# Altium PCB Copy of drac_v3.PcbDoc (part 4 of 5)
Units mm, origin at the board's own origin, x right, y up, seen from the top; angles counter-clockwise.
Board outline 160 x 214.5 mm, 6 copper layers (Top Layer, Mid Layer 1, Mid Layer 2, Mid Layer 3, Mid Layer 4, Bottom Layer), stack 1.597 mm thick; 433 components, 257 nets, 1445 pads, 774 vias.
Unrouted connection lines stored in the file: 474.
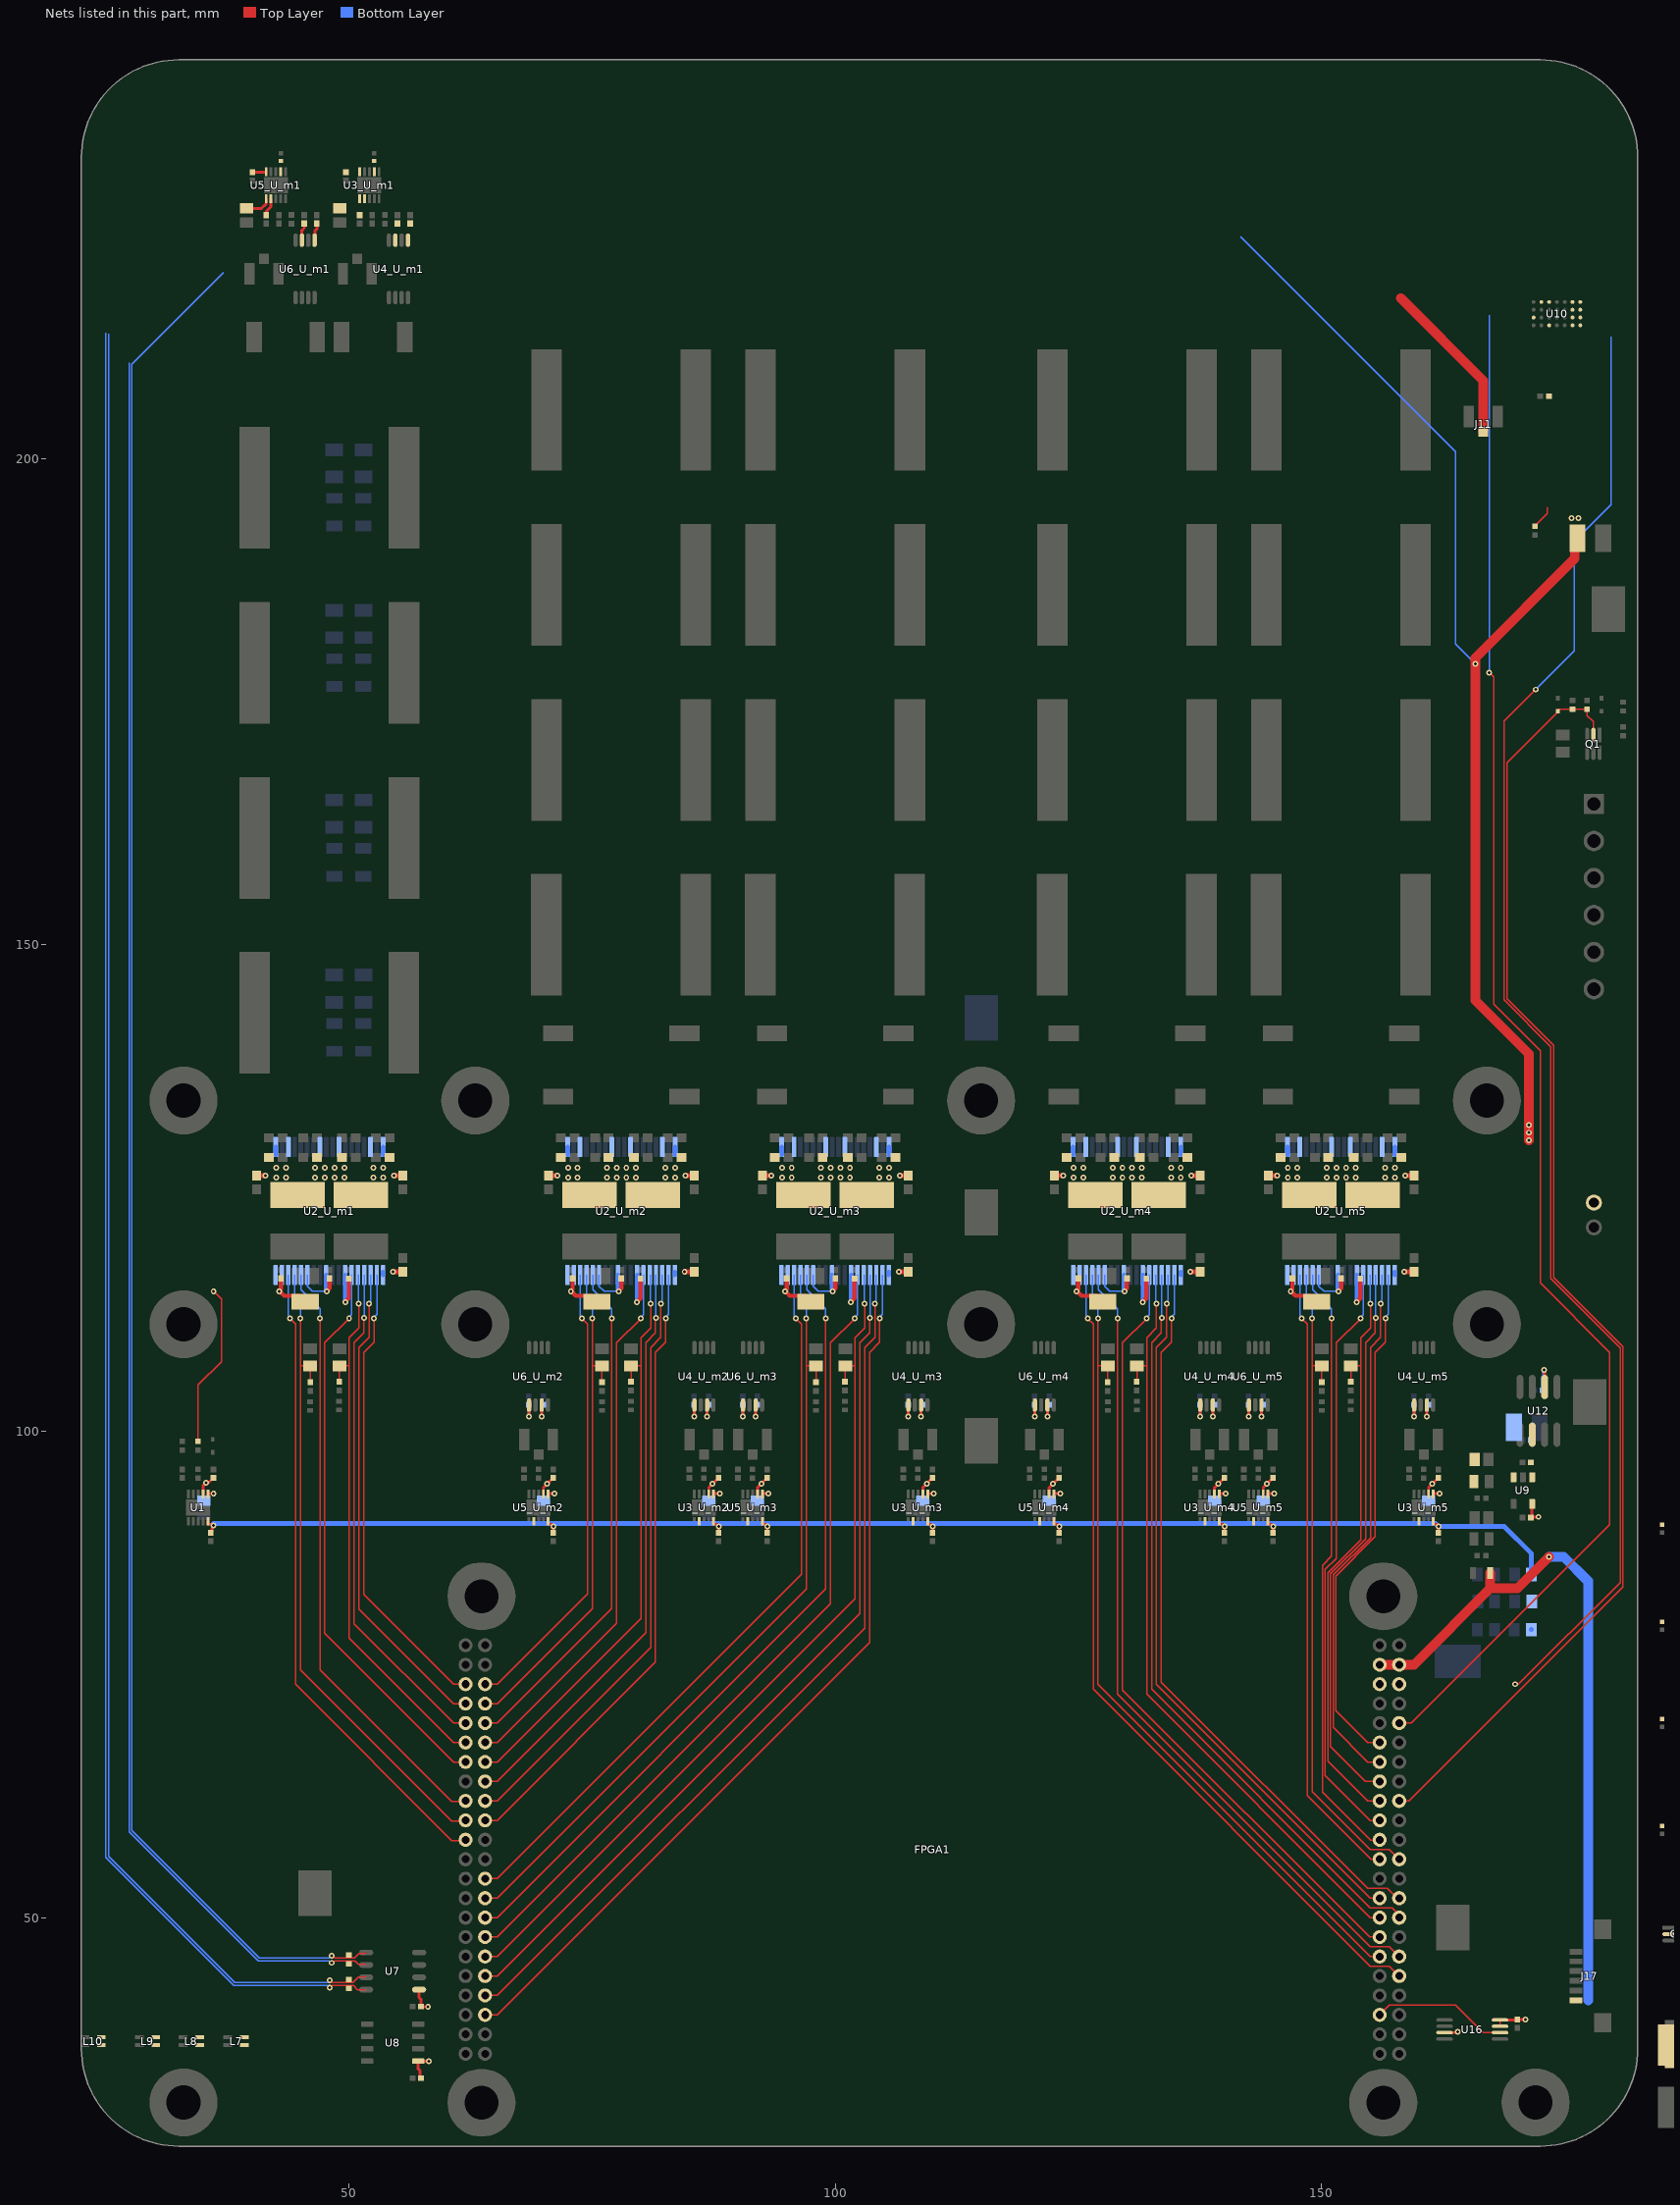
[diagram p6: the nets of this part, all layers, seen from the top]

## Via types
v1: diameter 0.6, hole 0.3, Top Layer to Bottom Layer, 774 vias

## Nets (pads, with @x,y where several pads share a name; then routed paths per layer and width w, separated by ;. In a path a pad name is that pad's centre, name@x,y a point inside that pad or via, vN(x,y) a via of type N, cw(c..) or ccw(c..) an arc to the next point about the centre after c; other vN are vias at no path point) (continued)
NetR4_U_m1_1: R4_U_m1.1 U2_U_m1.7 | length 5.4
  Top Layer w0.45: v1(49.625,113.279) 49.625,113.32 50,113.695 R4_U_m1.1@50,115.696
  Bottom Layer w0.45: v1(49.625,113.279) U2_U_m1.7@49.625,116.073
NetR4_U_m2_1: R4_U_m2.1 U2_U_m2.7 | length 5.4
  Top Layer w0.45: v1(79.625,113.279) 79.625,113.32 80,113.695 R4_U_m2.1@80,115.696
  Bottom Layer w0.45: v1(79.625,113.279) U2_U_m2.7@79.625,116.073
NetR4_U_m3_1: R4_U_m3.1 U2_U_m3.7 | length 5.4
  Top Layer w0.45: v1(101.625,113.279) 101.625,113.32 102,113.695 R4_U_m3.1@102,115.696
  Bottom Layer w0.45: v1(101.625,113.279) U2_U_m3.7@101.625,116.073
NetR4_U_m4_1: R4_U_m4.1 U2_U_m4.7 | length 5.4
  Top Layer w0.45: v1(131.625,113.279) 131.625,113.32 132,113.695 R4_U_m4.1@132,115.696
  Bottom Layer w0.45: v1(131.625,113.279) U2_U_m4.7@131.625,116.073
NetR4_U_m5_1: R4_U_m5.1 U2_U_m5.7 | length 5.4
  Top Layer w0.45: v1(153.625,113.279) 153.625,113.32 154,113.695 R4_U_m5.1@154,115.696
  Bottom Layer w0.45: v1(153.625,113.279) U2_U_m5.7@153.625,116.073
NetR21_2: R21.2 U10.A2
NetR22_1: R22.1 U10.C1 | length 2.4
  Top Layer w0.127: R22.1@171.931,193.059 171.933,193.059 172.153,193.28 172.153,193.282 173.23,194.358 173.23,194.905 173.274,194.949
NetR28_U_m1_2: R28_U_m1.2 U3_U_m1.7
NetR28_U_m2_2: R28_U_m2.2 U3_U_m2.7
NetR28_U_m3_2: R28_U_m3.2 U3_U_m3.7
NetR28_U_m4_2: R28_U_m4.2 U3_U_m4.7
NetR28_U_m5_2: R28_U_m5.2 U3_U_m5.7
NetR43_U_m1_2: R43_U_m1.2 U5_U_m1.7
NetR43_U_m2_2: R43_U_m2.2 U5_U_m2.7
NetR43_U_m3_2: R43_U_m3.2 U5_U_m3.7
NetR43_U_m4_2: R43_U_m4.2 U5_U_m4.7
NetR43_U_m5_2: R43_U_m5.2 U5_U_m5.7
nFAULT1: FPGA1.81 U2_U_m1.3 | length 49.8
  Top Layer w0.147: v1(52.075,113.098) 52.075,109.649 51.025,108.598 51.025,81.725 60.75,72 FPGA1.81@62,72
  Bottom Layer w0.147: v1(52.075,113.098) 52.075,113.221 52.225,113.37 U2_U_m1.3@52.225,116.073
nFAULT2: FPGA1.72 U2_U_m2.3 | length 62.4
  Top Layer w0.147: FPGA1.72@64,62 65.25,62 81.025,77.775 81.025,108.598 82.075,109.649 v1(82.075,113.098)
  Bottom Layer w0.147: v1(82.075,113.098) 82.075,113.221 82.225,113.37 U2_U_m2.3@82.225,116.073
nFAULT3: FPGA1.52 U2_U_m3.3 | length 91.5
  Top Layer w0.147: FPGA1.52@64,42 65.25,42 103.025,79.775 103.025,108.598 104.075,109.649 v1(104.075,113.098)
  Bottom Layer w0.147: v1(104.075,113.098) 104.075,113.221 104.225,113.37 U2_U_m3.3@104.225,116.073
nFAULT4: FPGA1.17 U2_U_m4.3 | length 74.7
  Top Layer w0.147: v1(134.075,113.098) 134.075,109.649 133.025,108.598 133.025,73.975 155,52 FPGA1.17@155.98,52
  Bottom Layer w0.147: v1(134.075,113.098) 134.075,113.221 134.225,113.37 U2_U_m4.3@134.225,116.073
nFAULT5: FPGA1.31 U2_U_m5.3 | length 54.9
  Top Layer w0.147: FPGA1.31@155.98,66 154.75,66 151.202,69.548 151.202,85.227 155.025,89.049 155.025,108.598 156.075,109.649 v1(156.075,113.098)
  Bottom Layer w0.147: v1(156.075,113.098) 156.075,113.221 156.225,113.37 U2_U_m5.3@156.225,116.073
nOTW1: FPGA1.83 U2_U_m1.2 | length 47.7
  Top Layer w0.147: v1(52.576,111.598) 52.576,109.149 51.525,108.098 51.525,83.225 60.75,74 FPGA1.83@62,74
  Bottom Layer w0.147: v1(52.576,111.598) 52.576,111.721 52.875,112.02 U2_U_m1.2@52.875,116.073
nOTW2: FPGA1.70 U2_U_m2.2 | length 64.6
  Top Layer w0.147: FPGA1.70@64,60 65.25,60 81.525,76.275 81.525,108.098 82.576,109.149 v1(82.576,111.598)
  Bottom Layer w0.147: v1(82.576,111.598) 82.576,111.721 82.875,112.02 U2_U_m2.2@82.875,116.073
nOTW3: FPGA1.50 U2_U_m3.2 | length 93.7
  Top Layer w0.147: FPGA1.50@64,40 65.25,40 103.525,78.275 103.525,108.098 104.576,109.149 v1(104.576,111.598)
  Bottom Layer w0.147: v1(104.576,111.598) 104.576,111.721 104.875,112.02 U2_U_m3.2@104.875,116.073
nOTW4: FPGA1.18 U2_U_m4.2 | length 76.1
  Top Layer w0.147: v1(134.576,111.598) 134.576,109.149 133.525,108.098 133.525,74.225 154.75,53 156.75,53 157.75,52 FPGA1.18@157.98,52
  Bottom Layer w0.147: v1(134.576,111.598) 134.576,111.721 134.875,112.02 U2_U_m4.2@134.875,116.073
nOTW5: FPGA1.33 U2_U_m5.2 | length 52.9
  Top Layer w0.147: FPGA1.33@155.98,68 154.75,68 151.476,71.274 151.476,85.113 155.525,89.162 155.525,108.098 156.576,109.149 v1(156.576,111.598)
  Bottom Layer w0.147: v1(156.576,111.598) 156.576,111.721 156.875,112.02 U2_U_m5.2@156.875,116.073
nRESET1_1: FPGA1.77 R5_U_m1.2 R7_U_m1.2 U2_U_m1.5 | length 56.9
  Top Layer w0.147: R7_U_m1.2@49,105.1 49.025,105.125 R5_U_m1.2@49.025,106.722 50.025,106.722 ; v1(51.025,113.098) 51.025,110.598 50.025,109.598 50.025,106.722 ; FPGA1.77@62,68 60.75,68 50.025,78.725 50.025,106.722
  Bottom Layer w0.147: U2_U_m1.5@50.925,116.073 50.975,116.023 50.975,113.148 v1(51.025,113.098)
nRESET1_2: FPGA1.76 R5_U_m2.2 R7_U_m2.2 U2_U_m2.5 | length 60.5
  Top Layer w0.147: FPGA1.76@64,66 65.25,66 80.025,80.775 80.025,106.722 ; R7_U_m2.2@79,105.1 79.025,105.125 R5_U_m2.2@79.025,106.722 80.025,106.722 ; v1(81.025,113.098) 81.025,110.598 80.025,109.598 80.025,106.722
  Bottom Layer w0.147: U2_U_m2.5@80.925,116.073 80.975,116.023 80.975,113.148 v1(81.025,113.098)
nRESET1_3: FPGA1.56 R5_U_m3.2 R7_U_m3.2 U2_U_m3.5 | length 89.6
  Top Layer w0.147: FPGA1.56@64,46 65.25,46 102.025,82.775 102.025,106.722 ; R7_U_m3.2@101,105.1 101.025,105.125 R5_U_m3.2@101.025,106.722 102.025,106.722 ; v1(103.025,113.098) 103.025,110.598 102.025,109.598 102.025,106.722
  Bottom Layer w0.147: U2_U_m3.5@102.925,116.073 102.975,116.023 102.975,113.148 v1(103.025,113.098)
nRESET1_4: FPGA1.15 R5_U_m4.2 R7_U_m4.2 U2_U_m4.5 | length 79.7
  Top Layer w0.147: R7_U_m4.2@131,105.1 131.025,105.125 R5_U_m4.2@131.025,106.722 132.025,106.722 ; v1(133.025,113.098) 133.025,110.598 132.025,109.598 132.025,106.722 ; FPGA1.15@155.98,50 155,50 132.025,72.975 132.025,106.722
  Bottom Layer w0.147: U2_U_m4.5@132.925,116.073 132.975,116.023 132.975,113.148 v1(133.025,113.098)
nRESET1_5: FPGA1.27 R5_U_m5.2 R7_U_m5.2 U2_U_m5.5 | length 61.5
  Top Layer w0.147: R7_U_m5.2@153,105.1 153.025,105.125 R5_U_m5.2@153.025,106.722 154.025,106.722 ; v1(155.025,113.098) 155.025,110.598 154.025,109.598 154.025,106.722 ; FPGA1.27@155.98,62 154.75,62 150.655,66.095 150.655,85.454 154.025,88.824 154.025,106.722
  Bottom Layer w0.147: U2_U_m5.5@154.925,116.073 154.975,116.023 154.975,113.148 v1(155.025,113.098)
nRESET2_1: FPGA1.69 R6_U_m1.2 R8_U_m1.2 U2_U_m1.15 | length 67
  Top Layer w0.147: v1(45.025,111.598) 45.025,106.722 ; R8_U_m1.2@46.025,105.05 R6_U_m1.2@46.025,106.722 45.025,106.722 ; FPGA1.69@62,60 61.919,59.919 60.581,59.919 45.025,75.475 45.025,106.722
  Bottom Layer w0.147: U2_U_m1.15@44.425,116.073 44.45,116.048 44.45,113.673 45.025,113.098 v1@45.025,111.599
nRESET2_2: FPGA1.82 R6_U_m2.2 R8_U_m2.2 U2_U_m2.15 | length 52.3
  Top Layer w0.147: FPGA1.82@64,72 65.25,72 75.025,81.775 75.025,106.722 ; v1(75.025,111.598) 75.025,106.722 ; R8_U_m2.2@76.025,105.05 R6_U_m2.2@76.025,106.722 75.025,106.722
  Bottom Layer w0.147: U2_U_m2.15@74.425,116.073 74.45,116.048 74.45,113.673 75.025,113.098 v1@75.025,111.599
nRESET2_3: FPGA1.62 R6_U_m3.2 R8_U_m3.2 U2_U_m3.15 | length 81.4
  Top Layer w0.147: FPGA1.62@64,52 65.25,52 97.025,83.775 97.025,106.722 ; v1(97.025,111.598) 97.025,106.722 ; R8_U_m3.2@98.025,105.05 R6_U_m3.2@98.025,106.722 97.025,106.722
  Bottom Layer w0.147: U2_U_m3.15@96.425,116.073 96.45,116.048 96.45,113.673 97.025,113.098 v1(97.025,111.598)
nRESET2_4: FPGA1.11 R6_U_m4.2 R8_U_m4.2 U2_U_m4.15 | length 85.6
  Top Layer w0.147: v1(127.025,111.598) 127.025,106.722 ; R8_U_m4.2@128.025,105.05 R6_U_m4.2@128.025,106.722 127.025,106.722 ; FPGA1.11@155.98,46 155,46 127.025,73.975 127.025,106.722
  Bottom Layer w0.147: U2_U_m4.15@126.425,116.073 126.45,116.048 126.45,113.673 127.025,113.098 v1(127.025,111.598)
nRESET2_5: FPGA1.22 R6_U_m5.2 R8_U_m5.2 U2_U_m5.15 | length 67.9
  Top Layer w0.147: v1(149.025,111.598) 149.025,106.722 ; R8_U_m5.2@150.025,105.05 R6_U_m5.2@150.025,106.722 149.025,106.722 ; FPGA1.22@157.98,56 156.98,57 155,57 149.025,62.975 149.025,106.722
  Bottom Layer w0.147: U2_U_m5.15@148.425,116.073 148.45,116.048 148.45,113.673 149.025,113.098 v1(149.025,111.598)
PWM1_N1: FPGA1.79 U2_U_m1.4 | length 52
  Top Layer w0.147: v1(51.575,111.648) 51.525,111.598 51.525,110.098 50.525,109.098 50.525,80.225 60.75,70 FPGA1.79@62,70
  Bottom Layer w0.147: v1(51.575,111.648) U2_U_m1.4@51.575,116.073
PWM1_N2: FPGA1.74 U2_U_m2.4 | length 60.1
  Top Layer w0.147: FPGA1.74@64,64 65.25,64 80.525,79.275 80.525,109.098 81.525,110.098 81.525,111.598 v1(81.575,111.648)
  Bottom Layer w0.147: v1(81.575,111.648) U2_U_m2.4@81.575,116.073
PWM1_N3: FPGA1.54 U2_U_m3.4 | length 89.2
  Top Layer w0.147: FPGA1.54@64,44 65.25,44 102.525,81.275 102.525,109.098 103.525,110.098 103.525,111.598 v1(103.575,111.648)
  Bottom Layer w0.147: v1(103.575,111.648) U2_U_m3.4@103.575,116.073
PWM1_N4: FPGA1.16 U2_U_m4.4 | length 78.4
  Top Layer w0.147: v1(133.575,111.648) 133.525,111.598 133.525,110.098 132.525,109.098 132.525,73.475 155,51 157.25,51 157.98,50.27 FPGA1.16@157.98,50
  Bottom Layer w0.147: v1(133.575,111.648) U2_U_m4.4@133.575,116.073
PWM1_N5: FPGA1.29 U2_U_m5.4 | length 57
  Top Layer w0.147: v1(155.575,111.648) 155.525,111.598 155.525,110.098 154.525,109.098 154.525,88.937 150.929,85.34 150.929,67.571 154.5,64 FPGA1.29@155.98,64
  Bottom Layer w0.147: v1(155.575,111.648) U2_U_m5.4@155.575,116.073
PWM1_P1: FPGA1.75 U2_U_m1.6 | length 57.9
  Top Layer w0.147: v1(50.025,111.598) 47.525,109.098 47.525,79.225 60.75,66 FPGA1.75@62,66
  Bottom Layer w0.147: v1(50.025,111.598) 50.025,111.721 50.275,111.971 U2_U_m1.6@50.275,116.073
PWM1_P2: FPGA1.78 U2_U_m2.6 | length 55.5
  Top Layer w0.147: FPGA1.78@64,68 65.25,68 77.525,80.275 77.525,109.098 v1(80.025,111.598)
  Bottom Layer w0.147: v1(80.025,111.598) 80.025,111.721 80.275,111.971 U2_U_m2.6@80.275,116.073
PWM1_P3: FPGA1.58 U2_U_m3.6 | length 84.7
  Top Layer w0.147: FPGA1.58@64,48 65.25,48 99.525,82.275 99.525,109.098 v1(102.025,111.598)
  Bottom Layer w0.147: v1(102.025,111.598) 102.025,111.721 102.275,111.971 U2_U_m3.6@102.275,116.073
PWM1_P4: FPGA1.13 U2_U_m4.6 | length 80.8
  Top Layer w0.147: v1(132.025,111.598) 129.525,109.098 129.525,73.411 154.936,48 FPGA1.13@155.98,48
  Bottom Layer w0.147: v1(132.025,111.598) 132.025,111.721 132.275,111.971 U2_U_m4.6@132.275,116.073
PWM1_P5: FPGA1.25 U2_U_m5.6 | length 60.6
  Top Layer w0.147: v1(154.025,111.598) 151.525,109.098 151.525,86.931 150.381,85.787 150.381,64.619 155,60 FPGA1.25@155.98,60
  Bottom Layer w0.147: v1(154.025,111.598) 154.025,111.721 154.275,111.971 U2_U_m5.6@154.275,116.073
PWM2_N1: FPGA1.71 U2_U_m1.14 | length 62
  Top Layer w0.147: v1(47.025,111.598) 47.025,75.475 60.581,61.919 61.919,61.919 FPGA1.71@62,62
  Bottom Layer w0.147: U2_U_m1.14@45.075,116.073 45.075,114.548 47.025,112.598 v1(47.025,111.598)
PWM2_N2: FPGA1.80 U2_U_m2.14 | length 53
  Top Layer w0.147: FPGA1.80@64,70 65.25,70 77.025,81.775 v1(77.025,111.598)
  Bottom Layer w0.147: U2_U_m2.14@75.075,116.073 75.075,114.548 77.025,112.598 v1(77.025,111.598)
PWM2_N3: FPGA1.60 U2_U_m3.14 | length 82.1
  Top Layer w0.147: FPGA1.60@64,50 65.25,50 99.025,83.775 v1(99.025,111.598)
  Bottom Layer w0.147: U2_U_m3.14@97.075,116.073 97.075,114.548 99.025,112.598 v1(99.025,111.598)
PWM2_N4: FPGA1.12 U2_U_m4.14 | length 84
  Top Layer w0.147: v1(129.025,111.598) 129.025,72.975 155,47 156.98,47 FPGA1.12@157.98,46
  Bottom Layer w0.147: U2_U_m4.14@127.075,116.073 127.075,114.548 129.025,112.598 v1(129.025,111.598)
PWM2_N5: FPGA1.23 U2_U_m5.14 | length 62.3
  Top Layer w0.147: v1(151.025,111.598) 151.025,87.143 150.107,86.225 150.107,62.893 155.025,57.975 155.955,57.975 FPGA1.23@155.98,58
  Bottom Layer w0.147: U2_U_m5.14@149.075,116.073 149.075,114.548 151.025,112.598 v1(151.025,111.598)
PWM2_P1: FPGA1.67 U2_U_m1.16 | length 66.6
  Top Layer w0.147: v1(43.95,111.598) 44.525,111.023 44.525,73.975 60.581,57.919 61.919,57.919 FPGA1.67@62,58
  Bottom Layer w0.147: U2_U_m1.16@43.775,116.073 43.775,111.895 43.95,111.721 v1(43.95,111.598)
PWM2_P2: FPGA1.84 U2_U_m2.16 | length 47.5
  Top Layer w0.147: FPGA1.84@64,74 65.25,74 74.525,83.275 74.525,111.023 v1(73.95,111.598)
  Bottom Layer w0.147: U2_U_m2.16@73.775,116.073 73.775,111.895 73.95,111.721 v1(73.95,111.598)
PWM2_P3: FPGA1.64 U2_U_m3.16 | length 76.6
  Top Layer w0.147: FPGA1.64@64,54 65.25,54 96.525,85.275 96.525,111.023 v1(95.95,111.598)
  Bottom Layer w0.147: U2_U_m3.16@95.775,116.073 95.775,111.895 95.95,111.721 v1(95.95,111.598)
PWM2_P4: FPGA1.10 U2_U_m4.16 | length 86.6
  Top Layer w0.147: v1(125.95,111.598) 126.525,111.023 126.525,73.475 155,45 156.98,45 FPGA1.10@157.98,44
  Bottom Layer w0.147: U2_U_m4.16@125.775,116.073 125.775,111.895 125.95,111.721 v1(125.95,111.598)
PWM2_P5: FPGA1.21 U2_U_m5.16 | length 64
  Top Layer w0.147: v1(147.95,111.598) 148.525,111.023 148.525,62.525 155.075,55.975 155.955,55.975 FPGA1.21@155.98,56
  Bottom Layer w0.147: U2_U_m5.16@147.775,116.073 147.775,111.895 147.95,111.721 v1(147.95,111.598)
RCLK_N: J3.12 L7.3 R11.1 | length 228.8
  Top Layer w0.127: v1(48.05,43.547) 48.272,43.325 50.447,43.325 50.987,43.865 51.775,43.865
  Bottom Layer w0.127: 25.3,212.801 25.3,56.31 38.285,43.325 48.042,43.325 48.05,43.333 v1(48.05,43.547) ; 25.3,290.301 35.317,300.317 50.321,300.317 51.786,301.783 51.786,305.846 52.591,306.65 52.591,307.43 52.04,307.981 52.04,308.83 J3.12@52.79,309.58
RCLK_P: J3.11 L7.2 R11.2 | length 229.2
  Top Layer w0.127: v1(48.05,42.82) 48.272,43.042 50.458,43.042 50.905,42.595 51.775,42.595
  Bottom Layer w0.127: 25.017,212.918 25.017,56.193 38.168,43.042 48.042,43.042 48.05,43.034 v1(48.05,42.82) ; 25.017,290.418 35.2,300.6 50.204,300.6 51.504,301.9 51.504,305.856 50.709,306.65 50.709,307.43 51.26,307.981 51.26,308.82 J3.11@50.5,309.58
RDAT_N: J3.15 L8.3 R12.1 | length 226.2
  Top Layer w0.127: v1(48.25,46.075) 48.339,46.075 48.561,45.853 50.578,45.853 51.039,46.314 51.684,46.314 51.775,46.405
  Bottom Layer w0.127: 37.1,219.117 27.7,209.717 27.7,58.95 40.797,45.853 47.939,45.853 48.161,46.075 v1(48.25,46.075) ; 37.1,296.617 53.191,296.617 58.656,302.083 58.656,305.846 59.461,306.65 59.461,307.43 58.91,307.981 58.91,308.83 J3.15@59.66,309.58
RDAT_P: J3.14 L8.2 R12.2 | length 226.6
  Top Layer w0.127: v1(48.25,45.348) 48.339,45.348 48.561,45.57 50.605,45.57 50.975,45.2 51.71,45.2 51.775,45.135
  Bottom Layer w0.127: 27.417,209.834 27.417,58.833 40.68,45.57 47.939,45.57 48.161,45.348 v1(48.25,45.348) ; 27.417,287.334 36.983,296.9 53.074,296.9 58.374,302.2 58.374,305.856 57.579,306.65 57.579,307.43 58.13,307.981 58.13,308.82 J3.14@57.37,309.58
RELAY-ON: FPGA1.36 Q2.2 R30.2 | length 165.9
  Top Layer w0.147: FPGA1.36@157.98,70 159.25,70 179.627,90.377 179.627,108.123 172.5,115.25 172.5,139.1 167.7,143.9 167.7,177.55 v1(167.25,178) ; Q2.2@168.599,291.9 167.6,291.9 v1(167.25,292.25) 167.25,295.5 167.831,296.081 R30.2@168.624,296.081
  Bottom Layer w0.147: v1(167.25,178) 167.25,214.75
SAFETY_CHAIN_EN_EXT: D10.1 FPGA1.28 Q1.2 Q3.2 R37.1 R38.2 | length 135.3
  Top Layer w0.147: FPGA1.28@157.98,62 159,62 180.976,83.976 180.976,108.682 173.849,115.809 173.849,139.659 169.049,144.459 169.049,168.749 174.3,174 D10.1@174.3,174.04 174.3,174.08 174.427,174.207 174.467,174.207 174.508,174.248 R38.2@175.8,174.248 R37.1@177.3,174.248 177.3,173.6 177.95,172.95 Q1.2@177.95,171.568
SCLK_EEPROM: FPGA1.5 U16.6 | length 14
  Top Layer w0.147: FPGA1.5@155.98,40 156.98,41 163.75,41 166.575,38.175 U16.6@168.35,38.175
TCLK_N: J3.2 L9.3 | length 34.3
  Top Layer w0.127: 25.308,290.308 35.117,300.117 50.021,300.117 51.786,301.883 51.786,303.496 J3.2@52.79,304.5
TCLK_P: J3.1 L9.2 | length 34.2
  Top Layer w0.127: 25.025,290.425 35,300.4 49.904,300.4 51.504,302 51.504,303.496 J3.1@50.5,304.5
TDAT_N: J3.5 L10.3 | length 26.4
  Top Layer w0.127: 37.317,296.617 53.091,296.617 58.656,302.183 58.656,303.496 J3.5@59.66,304.5
TDAT_P: J3.4 L10.2 | length 26
  Top Layer w0.127: 37.2,296.9 52.974,296.9 58.374,302.3 58.374,303.496 J3.4@57.37,304.5
VDD: C1.1 C11_U_m1.1 C11_U_m2.1 C11_U_m3.1 C11_U_m4.1 C11_U_m5.1 C30_U_m1.1 C30_U_m2.1 C30_U_m3.1 C30_U_m4.1 C30_U_m5.1 C35.2 C36.2 C53.1 D11.1 FPGA1.39 FPGA1.40 R31.2 R32.2 R33.2 U1.10 U3_U_m1.10 U3_U_m2.10 U3_U_m3.10 U3_U_m4.10 U3_U_m5.10 U5_U_m1.10 U5_U_m2.10 U5_U_m3.10 U5_U_m4.10 U5_U_m5.10 U7.1 U8.1 U15.1 U16.3 U16.7 U16.8 | length 330.2
  Top Layer w0.147: U16.7@168.35,38.825 U16.8@168.35,39.475 ; v1(169.9,74) 170.25,74 180.702,84.452 180.702,108.569 173.575,115.695 173.575,139.545 168.775,144.345 168.775,173.025 v1(172,176.25) ; D11.1@170.16,294.4 170.2,294.4 171.3,293.3 172.1,293.3 172.5,292.9 177.54,292.9 178.85,291.59 U15.1@179.35,291.59 179.25,291.49 v1(179.25,290.5)
  Top Layer w0.3: U1.10@35.5,90.746 35.5,90.443 35.835,90.443 35.978,90.3 v1(36.059,90.3) ; C1.1@35.8,89.559 35.936,89.695 35.936,90.014 35.959,90.037 v1@35.959,90.2 ; C30_U_m1.1@40.1,229.429 41.5,229.429 U5_U_m1.10@41.5,229.502 ; U7.1@57.225,42.595 57.225,41.775 57.429,41.571 C35.2@57.429,40.843 v1(58.143,40.843) ; C36.2@57.429,33.5 57.336,33.592 57.336,34.236 57.125,34.448 U8.1@57.125,35.238 v1(58.238,35.238) ; U5_U_m2.10@70.5,90.746 70.5,90.443 70.802,90.443 v1(71.025,90.221) 71.025,89.584 C30_U_m2.1@71,89.559 ; U3_U_m2.10@87.5,90.746 87.5,90.443 87.802,90.443 v1(88.025,90.221) 88.025,89.584 C11_U_m2.1@88,89.559 ; U5_U_m3.10@92.5,90.746 92.5,90.443 92.802,90.443 v1(93.025,90.221) 93.025,89.584 C30_U_m3.1@93,89.559 ; U3_U_m3.10@109.5,90.746 109.5,90.443 109.802,90.443 v1(110.025,90.221) 110.025,89.584 C11_U_m3.1@110,89.559 ; U5_U_m4.10@122.5,90.746 122.5,90.443 122.802,90.443 v1(123.025,90.221) 123.025,89.584 C30_U_m4.1@123,89.559 ; U3_U_m4.10@139.5,90.746 139.5,90.443 139.802,90.443 v1(140.025,90.221) 140.025,89.584 C11_U_m4.1@140,89.559 ; U5_U_m5.10@144.5,90.746 144.5,90.443 144.802,90.443 v1(145.025,90.221) 145.025,89.584 C30_U_m5.1@145,89.559 ; U3_U_m5.10@161.5,90.746 161.5,90.443 161.802,90.443 v1(162.025,90.221) 162.025,89.584 C11_U_m5.1@162,89.559 ; U16.3@162.65,38.175 162.66,38.185 163.873,38.185 163.938,38.25 v1(164.019,38.25) ; U16.8@168.35,39.475 168.36,39.485 170.096,39.485 C53.1@170.133,39.521 v1(170.979,39.521)
  Bottom Layer w0.147: v1(172,176.25) 176,180.25 176,191.5 179.75,195.25 179.75,212.5 ; v1(179.25,290.5) 179.75,290
  Bottom Layer w0.3: v1@145,90.5 145,90.246 v1(145.025,90.221) ; v1(170.979,39.521) v1@171,39.5
  Bottom Layer w0.5: v1@36.059,90.5 41.025,90.5 58.025,90.5 71.025,90.5 88.025,90.5 93.025,90.5 110.025,90.5 v1@145,90.5 ; v1@145.025,90.5 161.719,90.5 161.998,90.221 v1(162.025,90.221) 168.779,90.221 171.549,87.451 171.549,85.326 R32.2@171.585,85.29 ; R33.2@171.576,79.6 R33.2@171.581,79.604
VDD1.8: C2.1 C12_U_m1.1 C12_U_m2.1 C12_U_m3.1 C12_U_m4.1 C12_U_m5.1 C31_U_m1.1 C31_U_m2.1 C31_U_m3.1 C31_U_m4.1 C31_U_m5.1 C41.2 J10.2 U1.2 U3_U_m1.2 U3_U_m2.2 U3_U_m3.2 U3_U_m4.2 U3_U_m5.2 U5_U_m1.2 U5_U_m2.2 U5_U_m3.2 U5_U_m4.2 U5_U_m5.2 U9.5 | length 24.2
  Top Layer w0.3: J10.2@15.816,89.38 15.858,89.421 v1(15.858,90.477) ; U1.2@35,93.551 35,94.386 35.3,94.686 v1(35.3,94.7) 35.357,94.757 35.632,94.757 36.072,95.198 C2.1@36.072,95.22 ; C31_U_m1.1@41.5,225.029 41.5,225.4 42,225.9 U5_U_m1.2@42,226.698 ; U5_U_m2.2@70,93.551 70,94.198 70.6,94.798 71,95.198 C31_U_m2.1@71,95.22 ; U3_U_m2.2@87,93.551 87,94.198 87.6,94.798 88,95.198 C12_U_m2.1@88,95.22 ; U5_U_m3.2@92,93.551 92,94.198 92.6,94.798 93,95.198 C31_U_m3.1@93,95.22 ; U3_U_m3.2@109,93.551 109,94.198 109.6,94.798 110,95.198 C12_U_m3.1@110,95.22 ; U5_U_m4.2@122,93.551 122,94.198 122.6,94.798 123,95.198 C31_U_m4.1@123,95.22 ; U3_U_m4.2@139,93.551 139,94.198 139.6,94.798 140,95.198 C12_U_m4.1@140,95.22 ; U5_U_m5.2@144,93.551 144,94.198 144.6,94.798 145,95.198 C31_U_m5.1@145,95.22 ; U3_U_m5.2@161,93.551 161,94.198 161.6,94.798 162,95.198 C12_U_m5.1@162,95.22 ; C41.2@171.514,91.109 171.6,91.195 171.6,92.475 U9.5@171.65,92.525 ; C41.2@171.567,91.162 172.262,91.162 v1(172.3,91.2)
  other v1: 70.4,94.6 87.4,94.6 92.4,94.6 109.4,94.6 122.4,94.6 139.4,94.6 144.4,94.6 161.4,94.6
VDD5: FB1.1 FPGA1.41 FPGA1.42 | length 71.7
  Top Layer w1: FPGA1.41@155.98,76 159.5,76 167.347,83.847 ; FB1.1@167.347,85.424 167.347,83.847 ; v1(173.4,87.1) 170.147,83.847 167.347,83.847